# Altium PCB CONTROLLER.PcbDoc (part 2 of 4)
Units mm, origin at the board's own origin, x right, y up, seen from the top; angles counter-clockwise.
Board outline 104 x 83 mm, 6 copper layers (Component Side, Ground Plane (GND), Inner Layer 1, Inner Layer 2, Power Plane (VCC), Solder Side), stack 1.297 mm thick; 390 components, 384 nets, 1561 pads, 757 vias.
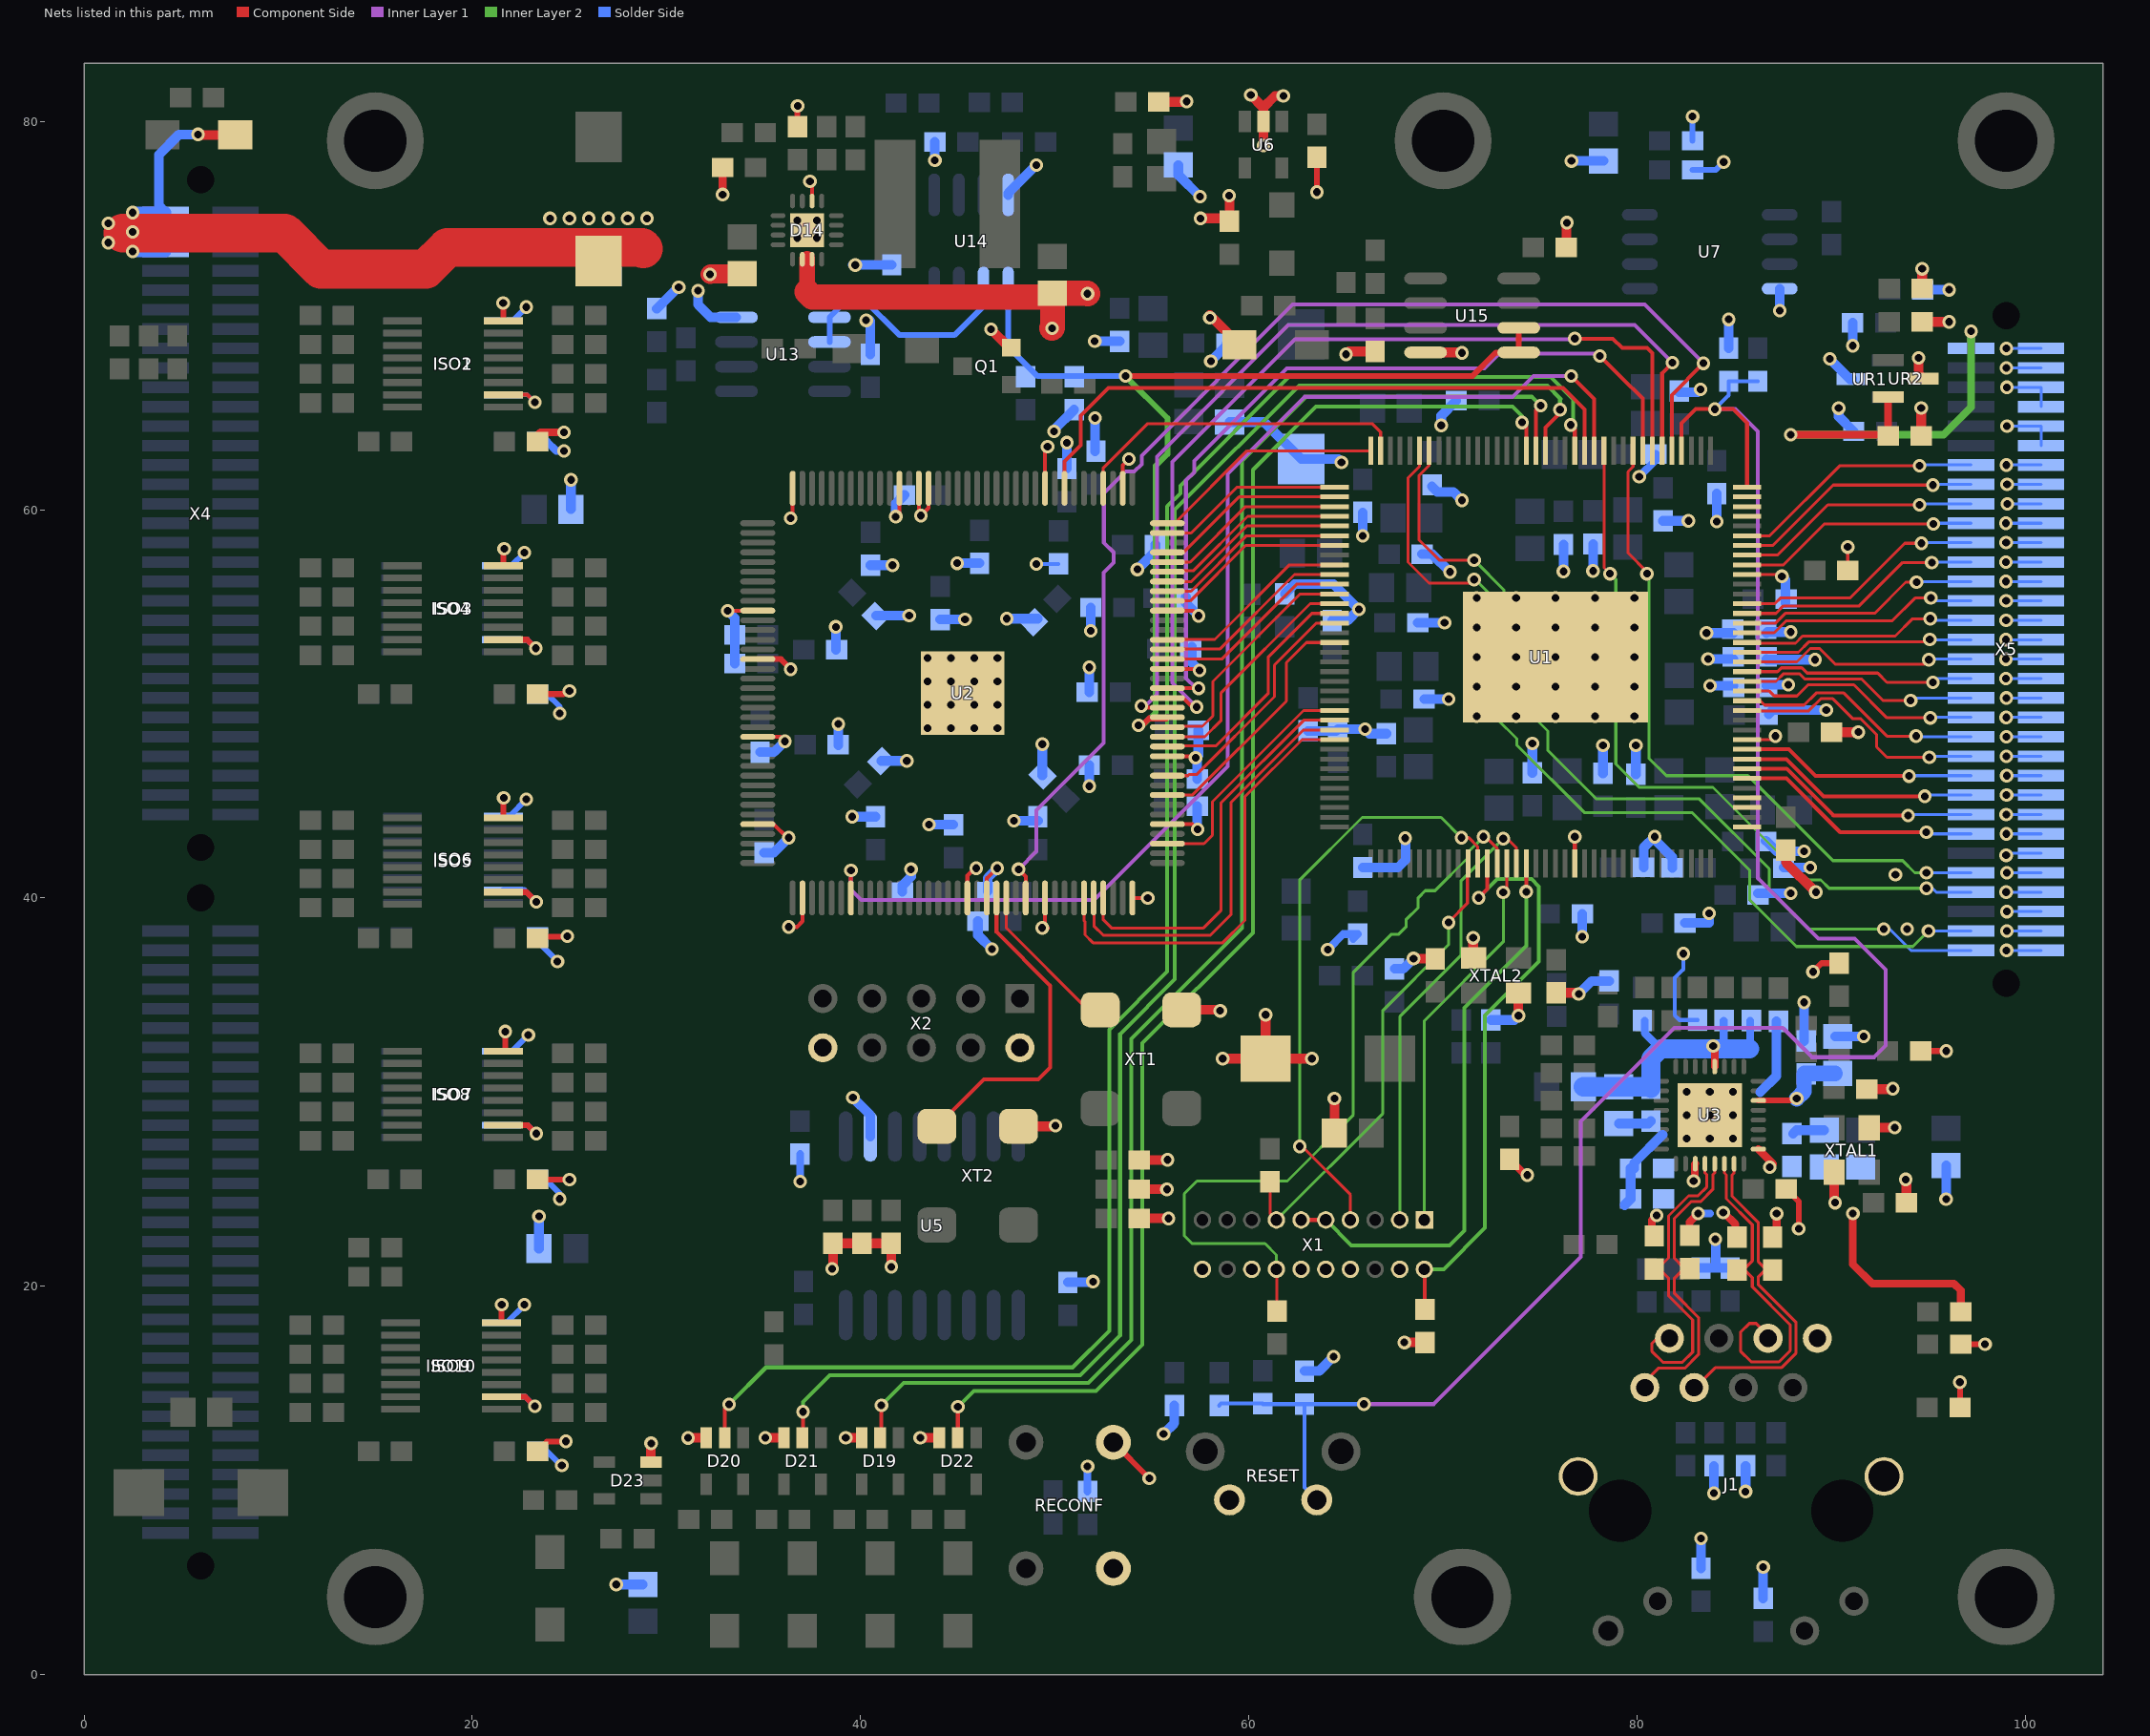
[diagram p6: the nets of this part, all layers, seen from the top]

## Part data
C1 C2 C3 C4 C5 C6 C7 C8 C9 C10 C11 C12 C13 C14 C15 C16 C17 C18 C19 C20 C21 C22 C23 C24 C25 C26 C27 C28 C29 C30 C31 C32 C33 C34 C35 C36 C37 C38 C39 C40 C41 C42 C43 C44 C45 C65 C66 C67 C68 C69 C70 C71 C72 C73 C74 C75 C76 C78 C79 C80 C81 C82 C83 C84 C85 C86 C87 C88 C89 C91 C92 C93 C94 C95 C96 C97 C98 C99 C100 C101 C102 C103 C104 C107 C110 C111 C112 C113 C114 C115 C116 C117 C120 C121 C122 C123 C124 C125 C126 C127 C128 C129 C130 C131 C132 C137 C138 C139 C140 C141 C142 C143 C144 C148 C154 C155 C156 C157 C161 C162 C163 C164 C165 C169 C170 C171 C172 C173 C177 C178 C179 C180 C181 C185 C186 C188 C225 C226 C227: library part ChipCapacitor
C77 C133 C134 C135 C136: library part C
D19 D20 D21 D22 D23: library part "SN74AHC1G14 (INV SH-TRG)"
ISO1 ISO2 ISO3 ISO4 ISO5 ISO6 ISO7 ISO8 ISO9 ISO10: library part ISO7140, "ISO7140 quad channel digital isolator"
L1 L2 L3 L4 L5 L6 L8 L9 L10 L11 L12 L13 L14 L15 L16 L17 L18 L19 L20 L21 L22 L25 L36: library part SMD_IND_LQM21
L26: library part "Inductor CDRH2D14"
L35: library part "Inductor LQH66S"
LED2 LED4 LED5 LED12 LED13 LED14 LED15 LED16: "BLH LED"
Q1: "General Purpose Transistor NPN Silicon", ComponentLink1Description="Manufacturer Link", ComponentLink1URL=http://www.onsemi.com/site/products/landing?taxonomyID=194, ComponentLink2Description=Datasheet, ComponentLink2URL=http://www.onsemi.com/pub/Collateral/BC846ALT1-D.PDF, DatasheetVersion=1997, LatestRevisionDate=17-Jul-2002, LatestRevisionNote="Re-released for DXP Platform.", PackageDescription="SOT-23; 3 Leads; Body 3.0 x 2.6 mm, inc. leads (LxW max)", PackageReference=318-08, PackageVersion=1997, Published=29-Sep-2000, Publisher="Altium Limited"
R3 R6 R8 R10 R11 R12 R13 R14 R15 R16 R17 R18 R19 R20 R21 R22 R23 R25 R26 R27 R28 R29 R30 R31 R32 R33 R34 R35 R36 R37 R38 R39 R40 R41 R42 R43 R44 R45 R46 R47 R48 R49 R50 R52 R53 R54 R55 R56 R58 R59 R60 R61 R62 R63 R64 R76 R77 R78 R79 R80 R81 R82 R83 R84 R85 R86 R87 R88 R89 R90 R91 R92 R93 R94 R95 R96 R97 R98 R99 R100 R101 R102 R103 R104 R105 R106 R107 R108 R109 R110 R111 R112 R114 R115 R117 R118 R119 R121 R122 R123 R125 R126 R127 R129 R130 R131 R132 R133 R134 R135 R136 R137 R138 R139 R140 R141 R142 R143 R144 R145 R146 R150 R151 R152 R153 R154 R155 R156 R157 R158 R159 R160 R161 R162 R163 R164 R165 R166 R167 R168 R169 R170 R171 R172 R173 R174 R175 R176 R177 R178 R179 R180 R181 R182 R183 R184 R185 R186 R187 R188 R189 R190 R191 R192 R193 R194 R195 R196 R197 R198 R199 R200 R201: library part ChipResistor
RECONF: library part "Button TYCO 1-1825910-4 Vert", Rule="Power Plane Connect Style [Style - Relief Connect    Expansion = 15.748mil    Width = 15.748mil    Gap = 15.748mil    # Entries = 4]"
RESET: library part "Button 1-1825027-1", "Button TYCO 1-1825027-1", Rule="Power Plane Connect Style [Style - Relief Connect    Expansion = 15.748mil    Width = 15.748mil    Gap = 15.748mil    # Entries = 4]"
U1: "Imported", Manufacturer="Texas Instruments", Manufacturer_Part_Number=f28m35h52c_rfp_144, PACKAGE_DESIGNATOR=RFP, Datasheet URL=http://www.ti.com/lit/gpn/F28M35H52C, FAMILY_NAME="28x + ARM&#174; Cortex&#153; M3 Concerto&#153; Series", GENERIC_PART_NUMBER=F28M35H52C, INDUSTRY_STD_PKG_TYPE=HTQFP, PIN_COUNT=144, RefDes=RefDes, Type=DEV, Vendor="Texas Instruments"
U2: "Cyclone III Family FPGA, 82 I/O Pins, 4 PLLs, 144-Pin EQFP, Speed Grade 7, Commercial Grade", Code_JEDEC=MS-026-BFB, ComponentLink1Description="Manufacturer Link", ComponentLink1URL=http://www.altera.com/, ComponentLink2Description="Handbook (7.86MB)", ComponentLink2URL=http://www.altera.com/literature/hb/cyc3/cyclone3_handbook.pdf, ComponentLink3Description="Packaging Specification", ComponentLink3URL=http://www.altera.com/literature/ds/dspkg.pdf, DatasheetVersion="ver2.0, May-2008", LatestRevisionDate=14-Dec-2007, LatestRevisionNote="Thermal Pad dimensions changed.", Note="Exposed pad at the bottom of this package must be connected to PCB GND.", PackageDescription="144-Pin Plastic Enhanced Quad Flat Pack (EQFP144) - Wire Bond", PackageReference=EQFP144, PackageVersion="ver15.1, May-2008", Published=26-Feb-2007, Publisher="Altium Limited"
U5: "EPCS64 Series, In-system programmable 3.3V serial configuration device, 16-Pin SOIC, 64-Megabit, Industrial Grade, Pb-Free", Supplier Part Number 1=544-1380-5-ND, Code_IPC=SOIC127P1030-16, Code_JEDEC=MS-013-AA, ComponentLink1Description="Manufacturer Link", ComponentLink1URL=http://www.altera.com/products/devices/config/cfg-index.html, ComponentLink2Description="Configuration Handbook", ComponentLink2URL=http://www.altera.com/literature/hb/cfg/config_handbook.pdf, ComponentLink3Description="Pinout Specification", ComponentLink3URL=http://www.altera.com/literature/hb/cfg/config_handbook.pdf, ComponentLink4Description="Packaging Specification", ComponentLink4URL=http://www.altera.com/support/devices/packaging/specifications/pkg-pin/pdf/016-SOIC.pdf, Configures="Cyclone II, Stratix II, & Cyclone Devices", DatasheetVersion="ver2.0, Oct-2003", LatestRevisionDate=13-Apr-2006, LatestRevisionNote="IPC-7351 Footprint Added.", PackageDescription="16-Pin Small Outline Integrated Circuit Package (SOIC16)", PackageReference=SOIC16, PackageVersion="ver14.2, Oct-2005", Published=4-Mar-2005, Publisher="Altium Limited", Supplier 1=Digi-Key
U6: "2MHz, 600mA Step-Down DC-DC Converter, 5-pin SOT-23", Manufacturer="National Semiconductor", PackageTopMarking=SLTB*XTT, PowerWise=Y, Supplier Part Number 1=1312587, ComponentLink1Description="LM3674 Datasheet", ComponentLink1URL=http://www.national.com/ds/LM/LM3674.pdf, ComponentLink2Description="LM3674 Web Page", ComponentLink2URL=http://www.national.com/pf/LM/LM3674.html, ComponentLink3Description="MF05A Package Page", ComponentLink3URL=http://www.national.com/packaging/folders/mf05a.html, CompType=MiscPower, DatasheetVersion=Sep-2006, PackageDescription="Molded SOT-23, .115 x .063 x .040 in Body, 5 Lead, .0375 in Pitch", PackageReference=MF05A, PackageVersion="revD, Aug-2008", PartNumber=LM3674MF-ADJ, PinCount=5, Published=4-Dec-2008, Publisher="Altium Limited", RoHS=N, Supplier 1=Farnell
U7: library part "AT25DF321A Flash"
U13 U14 U15: "Universal Voltage Monitor", Code_IPC=SOIC127P600-8, Code_JEDEC=MS-012-AA, ComponentLink1Description="Manufacturer Link", ComponentLink1URL=http://www.onsemi.com/site/products/taxonomy/0,4438,503,00.html, ComponentLink2Description=Datasheet, ComponentLink2URL=http://www.onsemi.com/pub/Collateral/MC34161-D.PDF, DatasheetVersion=Apr-2000, LatestRevisionDate=13-Apr-2006, LatestRevisionNote="IPC-7351 Footprint Added.", PackageDescription="8-Pin Small Outline Integrated Circuit 1.27 mm Pitch", PackageReference=751-05, PackageVersion=1998, Published=15-Apr-2002, Publisher="Altium Limited"
UR1 UR2: library part REF30XX, "50ppm/°C Max, 50µA in SOT23-3  CMOS VOLTAGE REFERENCE"
X2: "Header, 5-Pin, Dual row", LatestRevisionDate=17-Jul-2002, LatestRevisionNote="Re-released for DXP Platform.", Publisher="Altium Limited", Rule="Power Plane Connect Style [Style - Relief Connect    Expansion = 15.748mil    Width = 15.748mil    Gap = 15.748mil    # Entries = 4]"
X3 X4 X5: library part "Conn 64pos 51205xx-1", "Connector 64 pos TE"
XT1 XT2: library part KXO-V97
XTAL1 XTAL2: library part Crystal_KX-7
J1: Rule="Power Plane Connect Style [Style - Relief Connect    Expansion = 15.748mil    Width = 15.748mil    Gap = 15.748mil    # Entries = 4]"

## Free pads (board coordinates)
  round 5 hole 3.2: 0(15,4) 0(15,79) 0(70,79) 0(71,4) 0(99,4) 0(99,79)

## Via types
v1: diameter 0.7, hole 0.4, Component Side to Solder Side, tented both sides, 757 vias

## Nets (pads, with @x,y where several pads share a name; then routed paths per layer and width w, separated by ;. In a path a pad name is that pad's centre, name@x,y a point inside that pad or via, vN(x,y) a via of type N, cw(c..) or ccw(c..) an arc to the next point about the centre after c; other vN are vias at no path point)
1V2_OK: R157.1 R158.2 U2.52 U13.5 U13.6 U14.5 U14.6 U15.5 U15.6 | length 66.1
  Component Side w0.3: v1(53.645,66.878) 71.501,66.878 72.718,68.095 U15.5@73.9,68.095 U15.6@73.9,69.365 ; v1(54.305,48.895) 54.509,48.895 54.864,49.25 55.75,49.25 U2.52@55.8,49.3
  Inner Layer 2 w0.3: v1(53.645,66.878) 55.804,64.719 55.804,62.865 55.194,62.255 55.194,49.555 54.534,48.895 v1(54.305,48.895)
  Solder Side w0.3: U13.6@38.4,68.635 U13.5@38.4,69.905 39.285,70.79 40.198,70.79 42.001,68.986 44.831,68.986 46.33,70.485 U14.6@46.33,71.412 U14.5@47.6,71.412 47.6,68.4 49.122,66.878 v1(53.645,66.878)
12MHz: U2.22 XT2.3 | length 17
  Component Side w0.2: XT2.3@43.932,28.239 46.351,30.658 49.149,30.658 49.759,31.267 49.759,35.484 47,38.242 U2.22@47,40
50MHZ: U2.23 XT1.3 | length 8.1
  Component Side w0.15: U2.23@47.5,40 47.5,38.454 51.714,34.239 XT1.3@52.34,34.239
ADC1INA0: U1.121 X5.11 | length 13.5
  Component Side w0.15: U1.121@85.659,49.656 85.678,49.636 88.829,49.636 89.45,50.257 90.078,50.257 91.11,49.225 91.517,49.225 92.329,48.413 92.329,47.777 92.862,47.244 v1(95.047,47.244)
  Solder Side w0.15: v1(95.047,47.244) 95.103,47.3 X5.11@97.2,47.3
ADC1INA2: U1.122 X5.12 | length 12.8
  Component Side w0.15: U1.122@85.659,50.156 86.332,50.156 86.552,49.936 88.595,49.936 89.216,50.557 90.641,50.557 92.862,48.336 v1(94.361,48.336)
  Solder Side w0.15: v1(94.361,48.336) 94.397,48.3 X5.12@97.2,48.3
ADC1INA3: U1.123 X5.13 | length 12.6
  Component Side w0.15: U1.123@85.659,50.656 86.809,50.656 87.062,50.403 88.223,50.403 88.798,50.978 91.161,50.978 92.862,49.276 v1(95.098,49.276)
  Solder Side w0.15: v1(95.098,49.276) 95.122,49.3 X5.13@97.2,49.3
ADC1INA4: U1.124 X5.14 | length 12.3
  Component Side w0.15: U1.124@85.659,51.156 87.147,51.156 87.544,51.553 88.35,51.553 88.621,51.283 91.542,51.283 92.659,50.165 v1(94.082,50.165)
  Solder Side w0.15: v1(94.082,50.165) 94.217,50.3 X5.14@97.2,50.3
ADC1INA6: U1.125 X5.15 | length 12
  Component Side w0.15: U1.125@85.659,51.656 87.223,51.656 87.42,51.853 88.477,51.853 88.748,51.583 92.385,51.583 92.862,51.105 v1(95.225,51.105)
  Solder Side w0.15: v1(95.225,51.105) 95.42,51.3 X5.15@97.2,51.3
ADC1INA7: U1.126 X5.16 | length 12.3
  Component Side w0.15: U1.126@85.659,52.156 88.223,52.156 88.916,52.848 89.392,52.848 90.196,52.045 94.793,52.045 v1(95.021,52.273)
  Solder Side w0.15: v1(95.021,52.273) 95.048,52.3 X5.16@97.2,52.3
ADC1INB0: U1.117 X5.10 | length 12.1
  Component Side w0.2: U1.117@85.659,47.656 87.802,47.656 89.179,46.279 v1(94.005,46.279)
  Solder Side w0.15: v1(94.005,46.279) 94.027,46.3 X5.10@97.2,46.3
ADC1INB3: U1.116 X5.9 | length 12.4
  Component Side w0.2: U1.116@85.659,47.156 87.693,47.156 89.611,45.237 v1(94.818,45.237)
  Solder Side w0.15: v1(94.818,45.237) 94.881,45.3 X5.9@97.2,45.3
ADC1INB4: U1.115 X5.8 | length 12.6
  Component Side w0.2: U1.115@85.659,46.656 87.698,46.656 90.107,44.247 v1(93.955,44.247)
  Solder Side w0.15: v1(93.955,44.247) 94.008,44.3 X5.8@97.2,44.3
ADC1INB7: U1.114 X5.7 | length 12.7
  Component Side w0.2: U1.114@85.659,46.156 87.677,46.156 90.449,43.383 v1(94.894,43.383)
  Solder Side w0.15: v1(94.894,43.383) 94.978,43.3 X5.7@97.2,43.3
ADC2INA0: U1.132 X5.22 | length 12.8
  Component Side w0.15: U1.132@85.659,55.156 87.084,55.156 87.376,55.448 90.957,55.448 93.777,58.268 v1(94.64,58.268)
  Solder Side w0.15: v1(94.64,58.268) 94.673,58.3 X5.22@97.2,58.3
ADC2INA2: U1.131 X5.21 | length 12.6
  Component Side w0.15: U1.131@85.659,54.656 87.142,54.656 87.528,55.042 91.44,55.042 93.675,57.277 v1(95.174,57.277)
  Solder Side w0.15: v1(95.174,57.277) 95.197,57.3 X5.21@97.2,57.3
ADC2INA3: U1.130 X5.20 | length 12.4
  Component Side w0.15: U1.130@85.659,54.156 87.125,54.156 87.63,54.661 92.227,54.661 93.828,56.261 v1(94.386,56.261)
  Solder Side w0.15: v1(94.386,56.261) 94.425,56.3 X5.20@97.2,56.3
ADC2INA4: U1.129 X5.19 | length 12.3
  Component Side w0.15: U1.129@85.659,53.656 87.056,53.656 87.671,54.271 93.133,54.271 94.31,55.448 v1(95.123,55.448)
  Solder Side w0.15: v1(95.123,55.448) 95.271,55.3 X5.19@97.2,55.3
ADC2INA6: U1.128 X5.18 | length 12.1
  Component Side w0.15: U1.128@85.659,53.156 85.659,53.121 88.148,53.121 88.515,53.488 93.289,53.488 94.183,54.381 v1(95.098,54.381)
  Solder Side w0.15: v1(95.098,54.381) 95.179,54.3 X5.18@97.2,54.3
ADC2INA7: U1.127 X5.17 | length 11.8
  Component Side w0.15: U1.127@85.659,52.656 88.299,52.656 88.831,53.188 94.945,53.188 v1(95.072,53.315)
  Solder Side w0.15: v1(95.072,53.315) 95.087,53.3 X5.17@97.2,53.3
ADC2INB0: U1.136 X5.23 | length 12.4
  Component Side w0.15: U1.136@85.659,57.156 87.534,57.156 89.637,59.258 v1(95.25,59.258)
  Solder Side w0.15: v1(95.25,59.258) 95.292,59.3 X5.23@97.2,59.3
ADC2INB3: U1.137 X5.24 | length 12.6
  Component Side w0.15: U1.137@85.659,57.656 87.221,57.656 89.814,60.249 v1(94.539,60.249)
  Solder Side w0.15: v1(94.539,60.249) 94.59,60.3 X5.24@97.2,60.3
ADC2INB4: U1.138 X5.25 | length 12.8
  Component Side w0.15: U1.138@85.659,58.156 86.985,58.156 90.094,61.265 v1(95.225,61.265)
  Solder Side w0.15: v1(95.225,61.265) 95.26,61.3 X5.25@97.2,61.3
ADC2INB7: U1.139 X5.26 | length 13.1
  Component Side w0.15: U1.139@85.659,58.656 86.824,58.656 90.424,62.255 v1(94.539,62.255)
  Solder Side w0.15: v1(94.539,62.255) 94.583,62.3 X5.26@97.2,62.3
ADCREF: C67.2 UR2.2 X5.32 | length 21.8
  Component Side w0.4: v1(87.909,63.856) 92.774,63.856 92.876,63.754 C67.2@92.927,63.805 ; C67.2@92.927,63.805 UR2.2@92.928,65.801
  Inner Layer 2 w0.4: v1(87.909,63.856) 95.783,63.856 97.2,65.272 v1(97.2,69.184)
  Solder Side w0.4: X5.32@97.2,68.3 v1(97.2,69.184)
AGND: C29.1 C30.1 C31.1 C32.1 C45.2 C65.2 C66.2 C67.1 C186.1 C188.1 R10.2 R22.2 R23.2 U1.118 U1.135 UR1.3 UR2.3 X5.33 X5.34 X5.35 X5.36 X5.37 X5.38 X5.39 X5.40 X5.41 X5.42 X5.43 X5.44 X5.45 X5.46 X5.47 X5.48 X5.49 X5.50 X5.51 X5.52 X5.53 X5.54 X5.55 X5.56 X5.57 X5.58 | length 70.9
  Component Side w0.15: U1.118@85.659,48.156 86.942,48.156 v1(87.122,48.336) ; U1.135@85.659,56.656 87.362,56.656 v1(87.452,56.566) ; C31.1@90.842,56.871 v1(90.842,58.076)
  Component Side w0.5: C29.1@90.004,48.539 v1(91.389,48.539) ; v1(94.488,67.818) 94.488,66.991 UR2.3@94.728,66.751 ; C67.1@94.627,63.805 v1(94.627,65.239) ; C65.2@94.678,69.672 v1(96.063,69.672) ; C66.2@94.678,71.399 v1(94.678,72.404)
  Solder Side w0.15: v1(98.985,52.3) X5.49@100.8,52.3 ; v1(98.986,57.3) X5.44@100.8,57.3 ; v1(98.992,51.3) X5.50@100.8,51.3 ; v1(98.993,59.3) X5.42@100.8,59.3 ; v1(98.995,53.3) X5.48@100.8,53.3 ; v1(98.996,56.3) X5.45@100.8,56.3 ; v1(99.002,58.3) X5.43@100.8,58.3 ; v1(99.004,54.3) X5.47@100.8,54.3 ; v1(99.005,55.3) X5.46@100.8,55.3 ; v1(99.007,44.3) X5.57@100.8,44.3 ; v1(99.008,49.3) X5.52@100.8,49.3 ; v1(99.009,68.3) X5.33@100.8,68.3 ; v1(99.014,47.3) X5.54@100.8,47.3 ; v1(99.015,62.3) X5.39@100.8,62.3 ; v1(99.016,43.3) X5.58@100.8,43.3 ; v1(99.017,50.3) X5.51@100.8,50.3 ; v1(99.019,67.3) X5.34@100.8,67.3 ; v1(99.02,48.3) X5.53@100.8,48.3 ; v1(99.023,45.3) X5.56@100.8,45.3 ; v1(99.03,46.3) X5.55@100.8,46.3 ; v1(99.041,66.3) X5.35@100.8,66.3 X5.36@100.8,65.3 ; v1(99.047,64.3) X5.37@100.8,64.3 X5.38@100.8,63.3 ; v1(99.05,61.3) X5.40@100.8,61.3 ; v1(99.06,60.3) X5.41@100.8,60.3
  Solder Side w0.5: R23.2@86.657,50.931 86.703,50.978 v1(87.782,50.978) ; R22.2@86.657,52.303 86.686,52.273 v1(89.154,52.273) ; R10.2@86.657,53.649 86.703,53.696 v1(87.909,53.696) ; C30.1@86.772,49.472 87.009,49.708 87.034,49.682 v1(89.738,49.682) ; v1(87.452,56.566) 87.642,56.376 C32.1@87.642,55.194 ; v1(89.916,67.767) 90.957,66.726 UR1.3@91.073,66.726 ; v1(90.373,65.227) 90.373,64.809 C188.1@91.149,64.033 ; v1(91.098,68.441) C186.1@91.098,69.621 ; C45.2@94.703,71.323 v1(96.063,71.323)
ALE_EPI0S30: U1.53 U2.44 | length 13
  Component Side w0.15: U2.44@55.8,45.3 56.911,45.3 56.925,45.314 57.099,45.314 61.925,50.14 61.925,52.121 62.96,53.156 U1.53@64.409,53.156
CAN0Rx: U1.9 X5.5 | length 35.4
  Component Side w0.15: U1.9@79.784,63.031 79.784,62.207 79.525,61.948 79.525,57.775 80.5,56.8 v1(80.5,56.7)
  Inner Layer 2 w0.15: v1(80.5,56.7) 80.6,56.6 80.6,47.2 81.5,46.3 85.7,46.3 90.075,41.925 93.675,41.925 94.3,41.3 v1(94.9,41.3)
  Solder Side w0.15: v1(94.9,41.3) X5.5@97.2,41.3
CAN0Tx: U1.12 X5.4 | length 37.6
  Component Side w0.15: U1.12@78.284,63.031 78.299,63.016 78.299,57.001 v1(78.6,56.7)
  Inner Layer 2 w0.15: v1(78.6,56.7) 78.9,56.4 78.9,46.9 80.1,45.7 83.896,45.7 88.671,40.925 89.459,40.925 89.884,40.5 v1(94.9,40.5)
  Solder Side w0.15: v1(94.9,40.5) 94.9,40.6 95,40.7 95.4,40.3 X5.4@97.2,40.3
CAN1Rx: U1.31 X5.2 | length 48.3
  Component Side w0.15: U1.31@68.784,63.031 68.784,62.226 68.2,61.642 68.2,57.3 69.281,56.219 71.381,56.219 71.561,56.4 v1(71.6,56.4)
  Inner Layer 2 w0.15: v1(71.6,56.4) 71.665,56.4 72.785,55.281 72.785,49.215 73.8,48.2 73.8,47.871 77.271,44.4 82.823,44.4 85.8,41.423 85.8,39.9 88.2,37.5 94.2,37.5 v1(95,38.3)
  Solder Side w0.15: v1(95,38.3) X5.2@97.2,38.3
CAN1Tx: U1.30 X5.1 | length 46.5
  Component Side w0.15: U1.30@69.284,63.031 69.284,62.282 68.763,61.76 68.763,58.437 69.8,57.4 v1(71.6,57.4)
  Inner Layer 2 w0.15: v1(71.6,57.4) 73.135,55.865 73.135,50.365 73.4,50.1 73.901,50.1 75.4,48.601 75.4,47.6 77.9,45.1 83.2,45.1 86.8,41.5 86.8,40.4 88.8,38.4 v1(92.7,38.4)
  Solder Side w0.15: v1(92.7,38.4) 93,38.4 94.1,37.3 X5.1@97.2,37.3
COMP1OUT: U1.141
COMP2OUT: U1.143
COMP3OUT: U1.112
COMP4OUT: U1.111
COMP5OUT: U1.109
COMP6OUT: U1.142
CPU_INOUT3: U1.13 U2.7 | length 64.1
  Component Side w0.2: U2.7@39.5,40 v1(39.5,41.424) ; v1(76.606,66.878) 77.784,65.701 U1.13@77.784,63.031